# KiCad board mtt_final.kicad_pcb (continued)
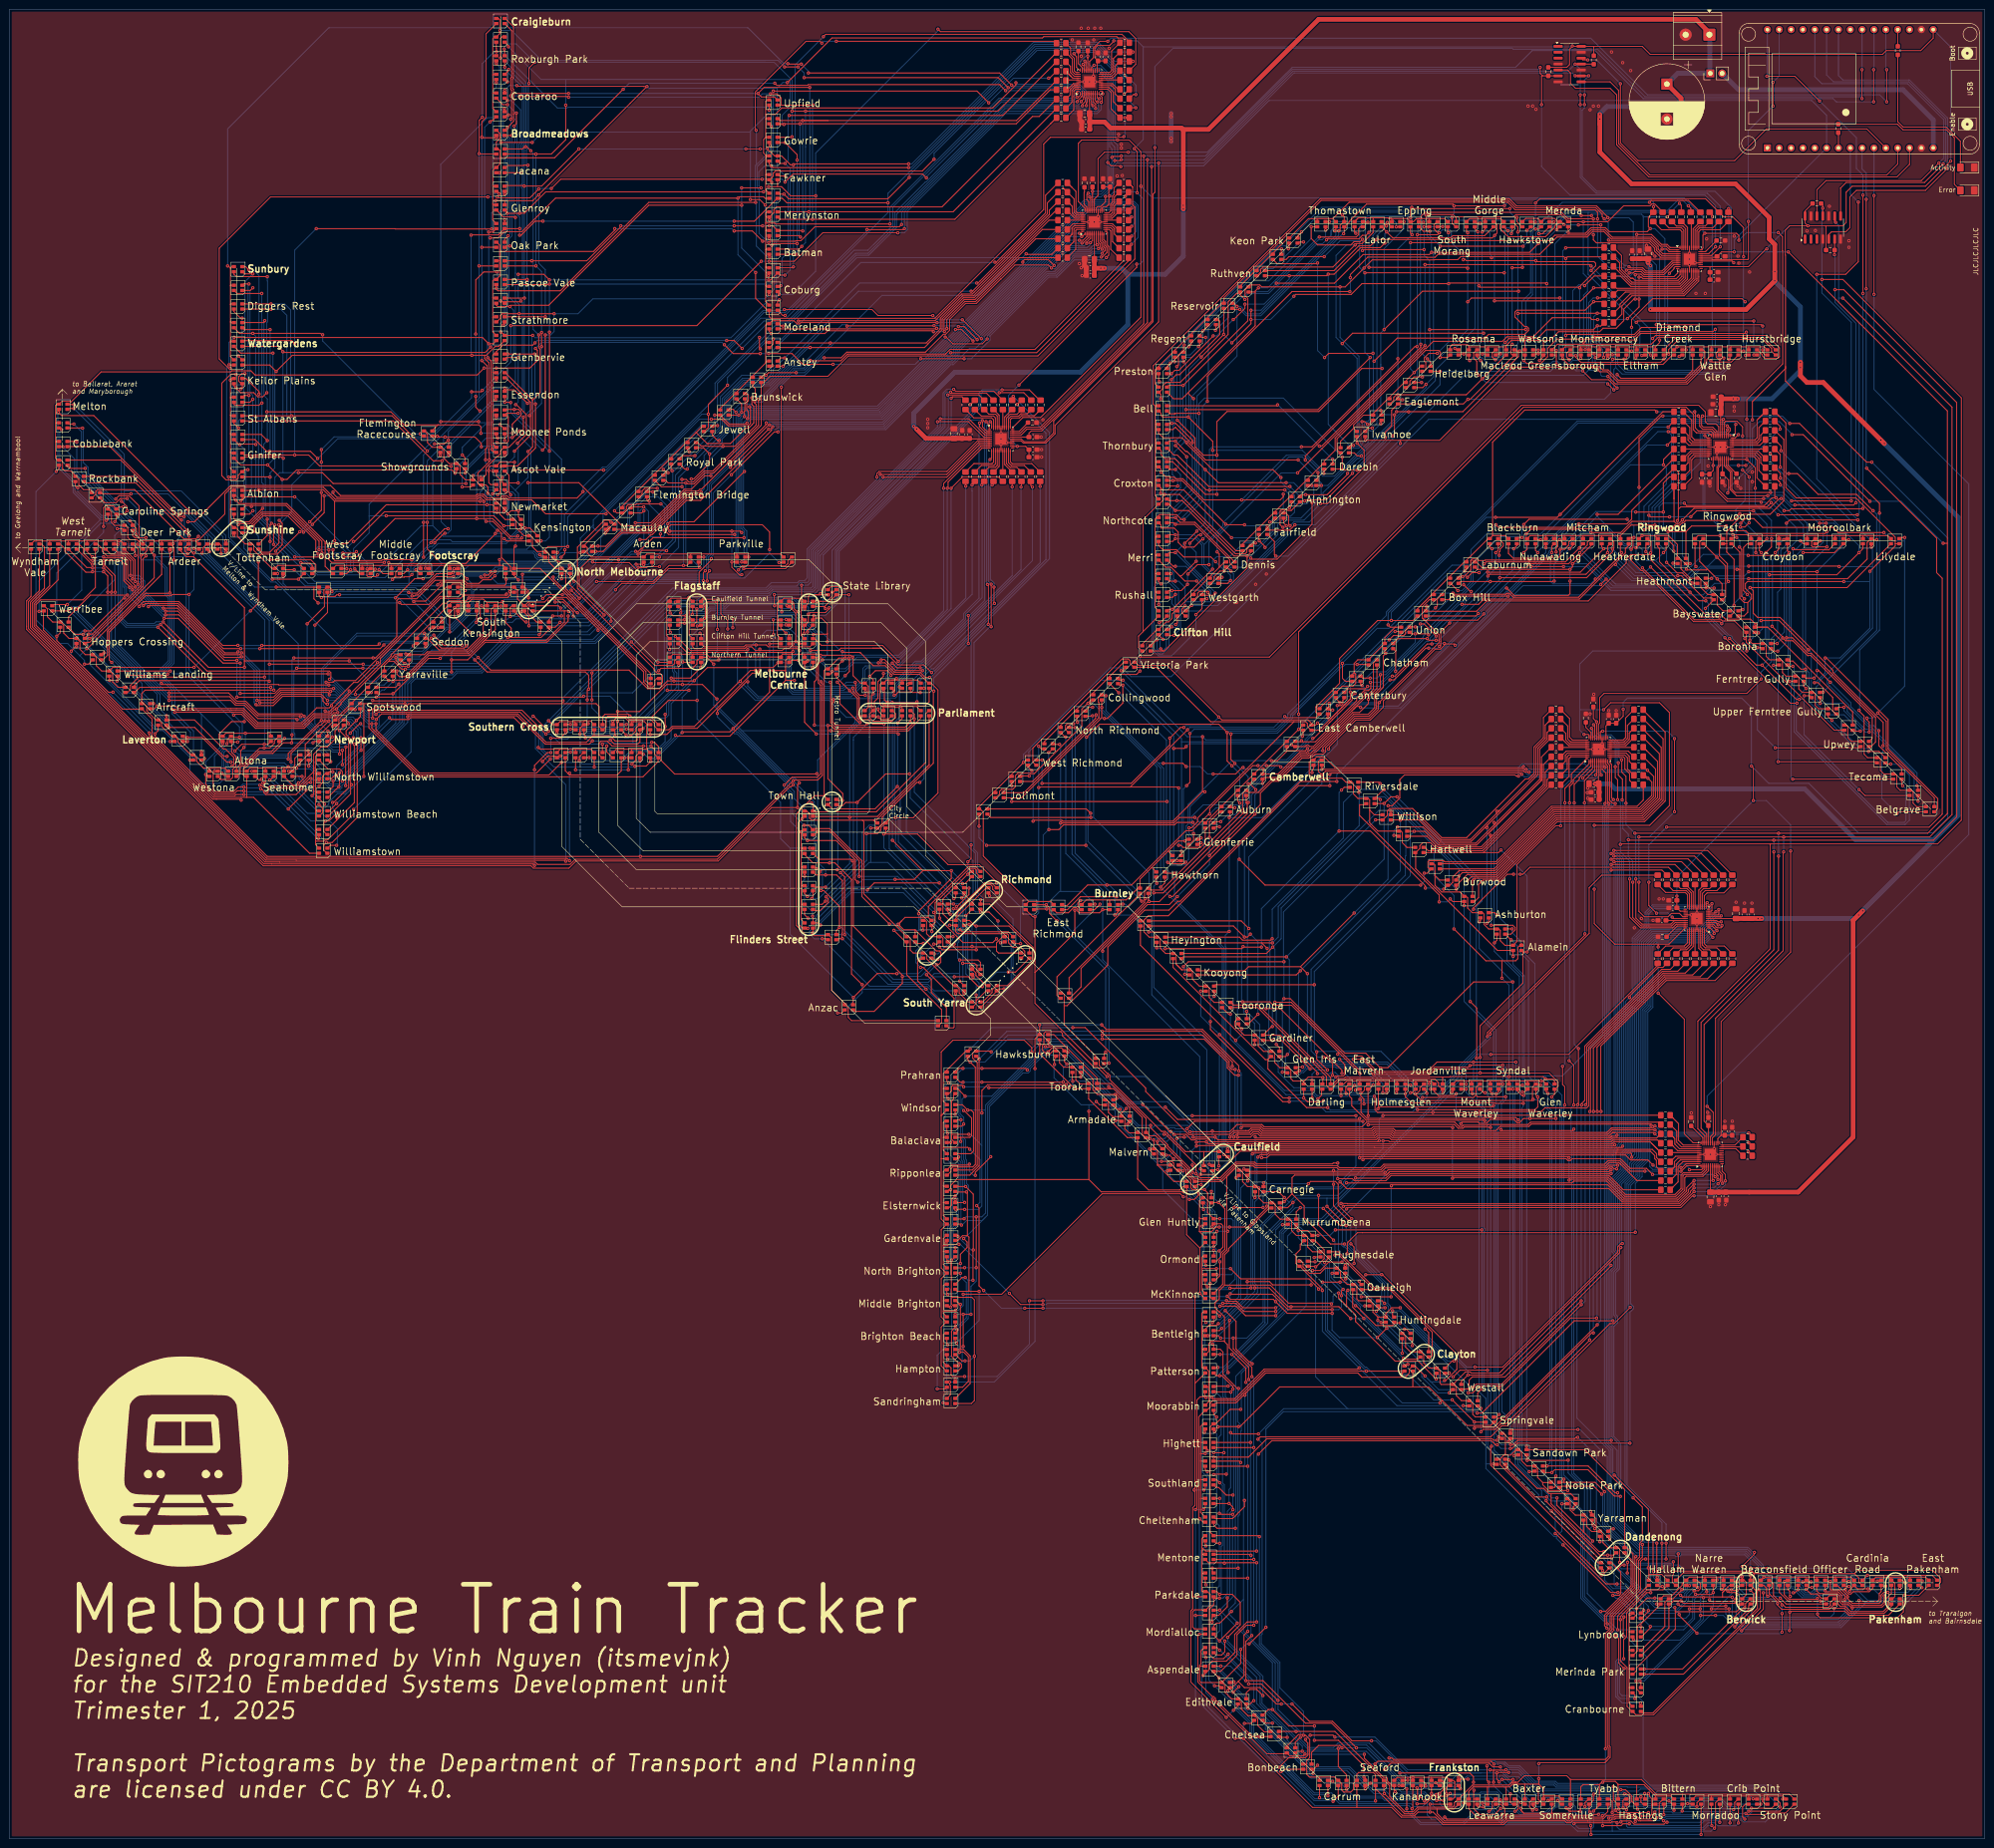
[diagram p0: board, top side]
## Routing (per net, layer and track width the routed paths; a pad name or vN(x,y) marks a point on that pad's centre or on a via; arc(x,y) is an arc through that point) (continued)
Net-(JP1-B): length 55.4
  Bottom w1: JP1.2 370.72,375.21 405.98,375.21 412.48,368.71 U1.15
Net-(U1-IO2): length 3.6
  Top w0.2: R147.1 404.88,388.09
Net-(U1-IO33): length 3.3
  Top w0.2: U1.7 392.15,365.93 R148.1
Net-(U2-ISET): length 4.5
  Top w0.2: R1.2 229.2,382.1 229.21,382.09 229.21,380.79 230,380 230,379.83 230.01,379.82 U2.32
Net-(U3-ISET): length 5.4
  Top w0.2: U3.32 231.02,350.01 230.42,350.61 230.42,353.17 230.5,353.25 R20.2
Net-(U4-ISET): length 4.2
  Top w0.2: U4.32 216.5,301.89 R39.2
Net-(U5-ISET): length 4.4
  Top w0.2: R58.2 363.72,340.55 363.62,340.45 U5.32
Net-(U6-ISET): length 4.1
  Top w0.2: R77.2 368.48,294.63 U6.32
Net-(U7-ISET): length 3.9
  Top w0.2: U7.32 339.1,237.31 338,238.41 R96.2
Net-(U8-ISET): length 5.1
  Top w0.2: R115.2 357.58,195.78 U8.32
Net-(U9-ISET): length 4.8
  Top w0.2: R134.2 363.09,150.38 U9.32

## Copper pours and planes (outline as drawn; the poured copper is in the pictures)
GND on Top, Bottom: 423.5,0 423.5,392.4 0,392.4 0,0

## Text on the board
F.Silkscreen: to Traralgon / and Bairnsdale | Caulfield Tunnel | Burnley Tunnel | Clifton Hill Tunnel | Northern Tunnel | City / Circle | to Ballarat, Ararat / and Maryborough | Activity | Error | JLCJLCJLCJLC | to Geelong and Warrnambool | Metro Tunnel | V/Line to / Melton & Wyndham Vale | V/Line to Gippsland / via Pakenham | Werribee | Melton | Cobblebank | Rockbank | Hoppers Crossing | Caroline Springs | Williams Landing | Deer Park | Aircraft | Diggers Rest | Keilor Plains | St Albans | Ginifer | Albion | North Williamstown | Williamstown Beach | Williamstown | Spotswood | Yarraville | Seddon | Roxburgh Park | Coolaroo | Glenroy | Oak Park | Pascoe Vale | Strathmore | Glenbervie | Essendon | Moonee Ponds | Ascot Vale | Newmarket | Jacana | Kensington | Macaulay | Flemington Bridge | Royal Park | Jewell | Brunswick | Upfield | Gowrie | Fawkner | Merlynston | Batman | Coburg | Moreland | Anstey | State Library | Jolimont | West Richmond | North Richmond | Collingwood | Victoria Park | Hawthorn | Heyington | Glenferrie | Kooyong | Westgarth | Auburn | Tooronga | Dennis | Gardiner | Carnegie | Fairfield | Glen Iris | Murrumbeena | Alphington | East Camberwell | Hughesdale | Darebin | Canterbury | Riversdale | Oakleigh | Ivanhoe | Chatham | Willison | Huntingdale | Eaglemont | Union | Hartwell | Heidelberg | Box Hill | Burwood | Westall | Laburnum | Ashburton | Springvale | Alamein | Sandown Park | Noble Park | Yarraman | Wyndham / Vale | Tarneit | Ardeer | Westona | Seaholme | South / Kensington | East / Richmond | Darling | Carrum | Lalor | Holmesglen | Kananook | South / Morang | Mount / Waverley | Leawarra | Macleod | Hawkstowe | Nunawading | Glen / Waverley | Greensborough | Somerville | Heatherdale | Eltham | Hastings | Wattle / Glen | Morradoo | Croydon | Stony Point | Lilydale | Altona | Tottenham | West / Footscray | Middle / Footscray | Arden | Parkville | Thomastown | East / Malvern | Seaford | Epping | Jordanville | Rosanna | Middle / Gorge | Blackburn | Syndal | Baxter | Watsonia | Mernda | Mitcham | Tyabb | Montmorency | Hallam | Diamond / Creek | Bittern | Narre / Warren | Ringwood / East | Crib Point | Hurstbridge | Beaconsfield | Officer | Mooroolbark | Cardinia / Road | East / Pakenham | West / Tarneit | Flemington / Racecourse | Showgrounds | Town Hall | Anzac | Prahran | Windsor | Balaclava | Ripponlea | Elsternwick | Gardenvale | North Brighton | Middle Brighton | Brighton Beach | Hampton | Sandringham | Hawksburn | Toorak | Armadale | Malvern | Preston | Bell | Thornbury | Croxton | Northcote | Merri | Rushall | Regent | Glen Huntly | Ormond | McKinnon | Bentleigh | Patterson | Moorabbin | Highett | Southland | Cheltenham | Mentone | Parkdale | Mordialloc | Aspendale | Reservoir | Edithvale | Ruthven | Chelsea | Keon Park | Bonbeach | Lynbrook | Merinda Park | Cranbourne | Heathmont | Bayswater | Boronia | Ferntree Gully | Upper Ferntree Gully | Upwey | Tecoma | Belgrave | Parliament | Sunbury | Watergardens | Sunshine | Newport | Craigieburn | Broadmeadows | North Melbourne | Richmond | Clifton Hill | Caulfield | Camberwell | Clayton | Dandenong | Berwick | Pakenham | Footscray | Flagstaff | Burnley | Frankston | Ringwood | Flinders Street | Melbourne / Central | Southern Cross | South Yarra | Laverton | Designed & programmed by Vinh Nguyen (itsmevjnk) / for the SIT210 Embedded Systems Development unit / Trimester 1, 2025 / Transport Pictograms by the Department of Transport and Planning / are licensed under CC BY 4.0. | Melbourne Train Tracker
